# Altium PCB Copy of ToucanEyePCB.PcbDoc (part 3 of 3)
Units mil, origin at the board's own origin, x right, y up, seen from the top; angles counter-clockwise.
Board outline 2559.06 x 1377.95 mil, 6 copper layers (L1_Top Layer, L2_GND, L3_Signa1, L4_PWR/Signal2, L5_GND, L6_Bottom Layer), stack 35.685 mil thick; 192 components, 185 nets, 792 pads, 218 vias.
Unrouted connection lines stored in the file: 453.
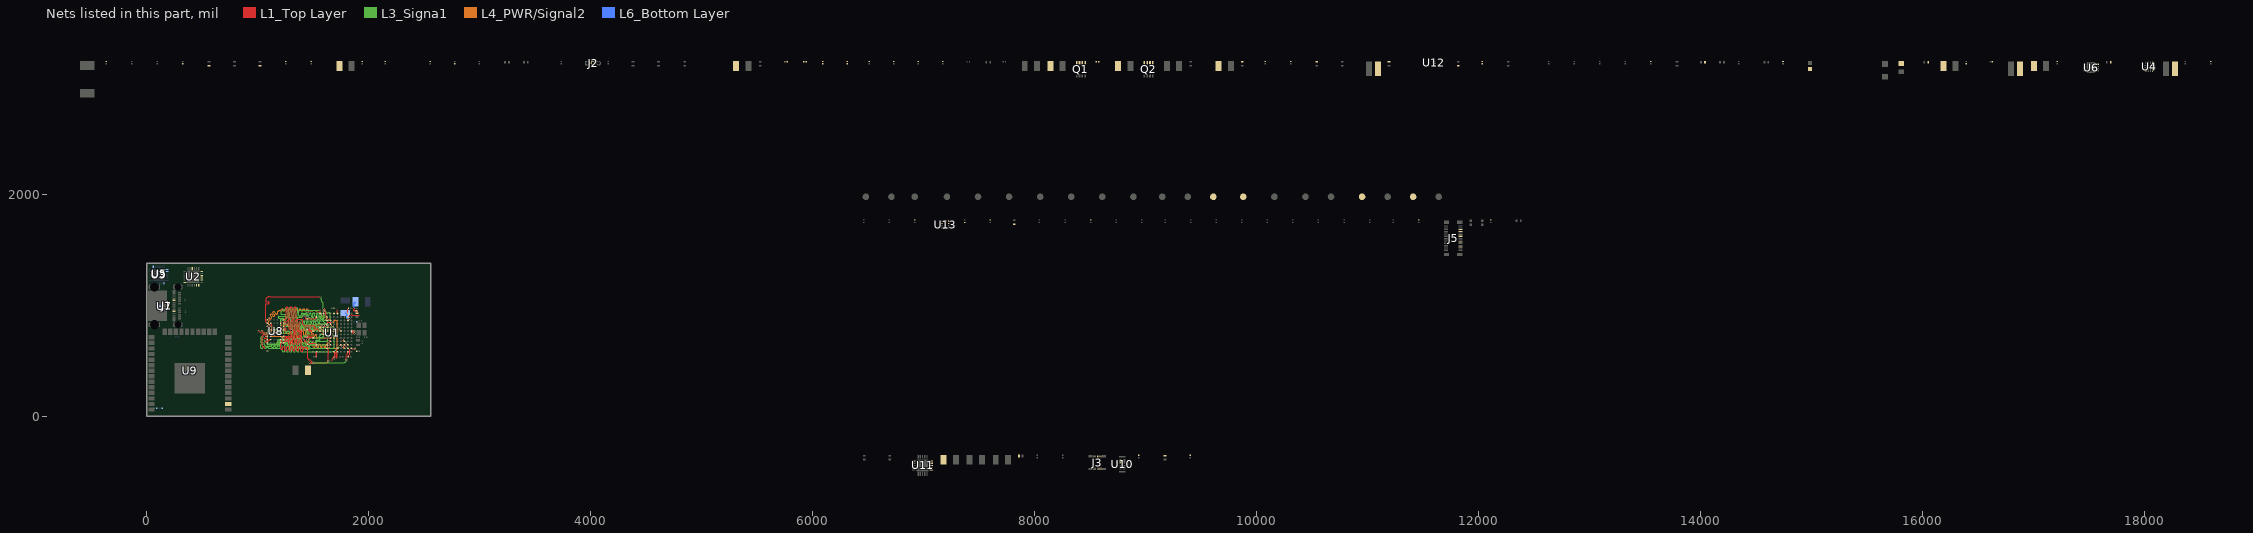
[diagram p7: the nets of this part, all layers, seen from the top]

## Via types
v1: diameter 16, hole 5.91, L1_Top Layer to L6_Bottom Layer, tented both sides, 60 vias
v2: diameter 16, hole 5.91, L1_Top Layer to L2_GND, tented both sides, 50 vias
v3: diameter 16, hole 5.91, L1_Top Layer to L3_Signa1, tented both sides, 45 vias
v4: diameter 16, hole 5.91, L1_Top Layer to L4_PWR/Signal2, tented both sides, 35 vias
v5: diameter 16, hole 5.91, L5_GND to L6_Bottom Layer, tented both sides, 13 vias
v6: diameter 11.81, hole 11.81, L1_Top Layer to L6_Bottom Layer, 9 vias
v7: diameter 7.87, hole 7.87, L1_Top Layer to L6_Bottom Layer, 5 vias
v8: diameter 16, hole 5.91, L1_Top Layer to L3_Signa1, tented top, 1 vias

## Nets (pads, with @x,y where several pads share a name; then routed paths per layer and width w, separated by ;. In a path a pad name is that pad's centre, name@x,y a point inside that pad or via, vN(x,y) a via of type N, cw(c..) or ccw(c..) an arc to the next point about the centre after c; other vN are vias at no path point) (continued)
PSRAM_A17: U1.G9 U8.D3 | length 973.4
  L1_Top Layer w8: U8.D3@1177.13,747.96 1191.37,762.2 v4(1192.2,762.2) ; v4(1578.7,782.5) 1593.8,767.4 U1.G9@1593.8,766.99
  L4_PWR/Signal2 w6: v4@1192.2,759.9 v4(1192.2,762.2) 1221.8,762.2 1224.2,762.2 ccw(c1224.2,767.8) 1229.8,767.8 1229.8,784.1 cw(c1235.4,784.1) 1235.4,789.7 1240.2,789.7 cw(c1240.2,784.1) 1245.8,784.1 1245.8,767.8 ccw(c1251.4,767.8) 1251.4,762.2 1261.8,762.2 1265,762.2 1278.51,762.2 cw(c1278.51,749.91) 1287.2,758.6 ccw(c1295.89,767.29) 1295.89,755 1303.89,755 cw(c1307.02,755) 1307.02,758.13 1316.76,758.13 cw(c1316.76,755) 1319.89,755 1319.89,715.69 ccw(c1325.49,715.69) 1325.49,710.09 1330.29,710.09 ccw(c1330.29,715.69) 1335.89,715.69 1335.89,755 1335.89,757.47 cw(c1341.49,757.47) 1341.49,763.07 1346.29,763.07 cw(c1346.29,757.47) 1351.89,757.47 1351.89,755 1351.89,715.69 ccw(c1357.49,715.69) 1357.49,710.09 1362.29,710.09 ccw(c1362.29,715.69) 1367.89,715.69 1367.89,755 1367.89,757.47 cw(c1373.49,757.47) 1373.49,763.07 1378.29,763.07 cw(c1378.29,757.47) 1383.89,757.47 1383.89,755 1383.89,715.69 ccw(c1389.49,715.69) 1389.49,710.09 1394.29,710.09 ccw(c1394.29,715.69) 1399.89,715.69 1399.89,755 1399.89,757.47 cw(c1405.49,757.47) 1405.49,763.07 1410.29,763.07 cw(c1410.29,757.47) 1415.89,757.47 1415.89,755 1415.89,734.08 ccw(c1421.49,734.08) 1421.49,728.48 1426.29,728.48 ccw(c1426.29,734.08) 1431.89,734.08 1431.89,755 1431.89,758.93 cw(c1437.49,758.93) 1437.49,764.53 1442.29,764.53 cw(c1442.29,758.93) 1447.89,758.93 1447.89,755 1447.89,714.76 ccw(c1453.49,714.76) 1453.49,709.16 1458.29,709.16 ccw(c1458.29,714.76) 1463.89,714.76 1463.89,755 1463.89,770.51 cw(c1469.49,770.51) 1469.49,776.11 1474.29,776.11 cw(c1474.29,770.51) 1479.89,770.51 1479.89,759.11 ccw(c1484,759.11) 1484,755 1484.1,755 ccw(c1484.1,762.5) 1491.6,762.5 1491.6,766.77 cw(c1499.83,766.77) 1499.83,775 1521.66,775 ccw(c1521.66,795.14) 1535.9,780.9 cw(c1547.49,769.31) 1547.49,785.7 1570.97,785.7 cw(c1570.97,774.77) v4(1578.7,782.5)
PSRAM_A18: U1.G10 U8.H1 | length 1022.9
  L1_Top Layer w8: U8.H1@1237.05,865.2 cw(c1237.05,866.07) U8.H1@1236.18,866.07 cw(c1240.72,866.07) 1240.72,870.6 1247.4,870.6 1251,870.6 ccw(c1251,876) 1256.4,876 1256.4,973.73 cw(c1261.8,973.73) 1261.8,979.13 1269,979.13 cw(c1269,973.73) 1274.4,973.73 1274.4,876 ccw(c1279.8,876) 1279.8,870.6 1287,870.6 ccw(c1287,876) 1292.4,876 1292.4,973.73 cw(c1297.8,973.73) 1297.8,979.13 1305,979.13 cw(c1305,973.73) 1310.4,973.73 1310.4,876 ccw(c1315.8,876) 1315.8,870.6 1323,870.6 ccw(c1323,876) 1328.4,876 1328.4,973.73 cw(c1333.8,973.73) 1333.8,979.13 1341,979.13 cw(c1341,973.73) 1346.4,973.73 1346.4,876 ccw(c1351.8,876) 1351.8,870.6 1364.4,870.6 1377,870.6 1396.4,870.6 cw(c1396.4,859.5) 1407.5,859.5 1407.5,825.7 ccw(c1418.3,825.7) 1418.3,814.9 1497.2,814.9 cw(c1497.2,796.6) 1515.5,796.6 ccw(c1529.5,796.6) 1529.5,782.6 cw(c1529.5,757.73) 1547.08,775.32 1550.53,771.87 ccw(c1562.31,783.65) U1.G10@1562.31,766.99
PSRAM_A19: U1.B3 U8.G2 | length 46.1
  L1_Top Layer w6: U8.G2@1206.4,834.43 U8.G2@1206.66,834.43 ; U8.G2@1206.66,836.54 U8.G2@1206.94,836.54
  L1_Top Layer w8: U8.G2@1206.94,836.54 v1(1222.16,851.76) ; v3(1766.1,626.1) 1782.69,609.51 U1.B3@1782.78,609.51 U1.B3@1783.29,609.51
PSRAM_A20: U1.D3 U8.H6 | length 47.7
  L1_Top Layer w6: U8.H6@1088.54,863.96 U8.H6@1088.6,864.01
  L1_Top Layer w8: U8.H6@1088.54,866.07 1102.86,880.38 ccw(c1099.14,884.1) v4(1104.4,884.1) ; v4(1766.3,688.8) 1766.48,688.8 U1.D3@1782.78,672.5
PSRAM_A21: U1.C2 U8.E3 | length 44.2
  L1_Top Layer w8: v4@1161.5,764.3 1163.94,764.3 U8.E3@1177.13,777.48 ; v3(1798.8,657.7) 1798.8,656.48 U1.C2@1814.28,641.01
  other v4: 1162.4,761.6
PSRAM_D0: U1.G8 U8.B6 | length 976.8
  L1_Top Layer w8: v3(1059.7,686.7) 1059.7,692.3 cw(c1067.8,692.3) 1067.8,700.4 1080.62,700.4 cw(c1080.62,692.48) 1088.54,692.48 U8.B6@1088.54,688.9 ; v3(1609.9,750.8) 1609.9,751.1 1625.3,766.5 U1.G8@1625.3,766.99 cw(c1625.3,768.42) U1.G8@1624.29,767.41
  L3_Signa1 w6: v3@1060.1,682 ccw(c1067.1,682) 1067.1,675 cw(c1067.1,661.6) 1080.5,661.6 1080.5,652.5 ccw(c1091.8,652.5) 1091.8,641.2 1173,641.2 ccw(c1173,654.6) 1186.4,654.6 cw(c1212.3,654.6) 1212.3,680.5 1271,680.5 cw(c1271,664.4) 1287.1,664.4 ccw(c1292.8,664.4) 1292.8,658.7 1295.2,658.7 ccw(c1295.2,664.3) 1300.8,664.3 1300.8,687.5 cw(c1306.4,687.5) 1306.4,693.1 1311.2,693.1 cw(c1311.2,687.5) 1316.8,687.5 1316.8,658.7 ccw(c1321.4,658.7) 1321.4,654.1 1328.2,654.1 ccw(c1328.2,658.7) 1332.8,658.7 1332.8,687.5 cw(c1338.4,687.5) 1338.4,693.1 1343.2,693.1 cw(c1343.2,687.5) 1348.8,687.5 1348.8,658.7 ccw(c1353.4,658.7) 1353.4,654.1 1360.2,654.1 ccw(c1360.2,658.7) 1364.8,658.7 1364.8,687.5 cw(c1370.4,687.5) 1370.4,693.1 1375.2,693.1 cw(c1375.2,687.5) 1380.8,687.5 1380.8,664.3 ccw(c1386.4,664.3) 1386.4,658.7 1392.5,658.7 1427.8,658.7 1431.4,658.7 ccw(c1431.4,664.3) 1437,664.3 1437,667.78 cw(c1442.6,667.78) 1442.6,673.38 1447.4,673.38 cw(c1447.4,667.78) 1453,667.78 1453,664.3 ccw(c1458.6,664.3) 1458.6,658.7 1463.4,658.7 ccw(c1463.4,664.3) 1469,664.3 1469,667.04 cw(c1474.6,667.04) 1474.6,672.64 1479.4,672.64 cw(c1479.4,667.04) 1485,667.04 1485,664.3 ccw(c1490.6,664.3) 1490.6,658.7 1501,658.7 1509,658.7 1512.2,658.7 ccw(c1512.2,666.8) 1520.3,666.8 cw(c1536.9,666.8) 1536.9,683.4 1550.6,683.4 ccw(c1550.6,693.6) 1560.8,693.6 cw(c1572.5,693.6) 1572.5,705.3 1577.9,705.3 ccw(c1577.9,721.4) 1594,721.4 1594,725.3 cw(c1603.8,725.3) 1603.8,735.1 ccw(c1603.8,741.2) 1609.9,741.2 v3(1609.9,750.8)
PSRAM_D1: U1.G7 U8.C5 | length 968.9
  L1_Top Layer w8: U8.C5@1118.07,718.43 1130.2,730.55 ccw(c1127.05,733.7) v4@1131.5,733.7 ; U1.G7@1656.8,767.3 U1.G7@1656.8,766.99 1657.31,766.99 v4(1673.9,750.4)
  L4_PWR/Signal2 w6: v4(1133,733.7) v4@1134.1,733.7 ; v4@1135.1,734.7 1135.3,734.5 1145.05,744.25 cw(c1152.9,736.39) 1152.9,747.5 1269.64,747.5 cw(c1269.64,737.94) 1276.4,744.7 ccw(c1281.95,750.25) 1281.95,742.4 1298.5,742.4 cw(c1298.5,733.2) 1307.7,733.2 1307.7,707.9 ccw(c1318,707.9) 1318,697.6 1326.8,697.6 1328.5,697.6 cw(c1328.5,692) 1334.1,692 1334.1,664.52 ccw(c1339.7,664.52) 1339.7,658.92 1344.5,658.92 ccw(c1344.5,664.52) 1350.1,664.52 1350.1,697.6 cw(c1353.59,697.6) 1353.59,701.09 1362.61,701.09 cw(c1362.61,697.6) 1366.1,697.6 1366.1,664.52 ccw(c1371.7,664.52) 1371.7,658.92 1376.5,658.92 ccw(c1376.5,664.52) 1382.1,664.52 1382.1,692 cw(c1387.7,692) 1387.7,697.6 1390.1,697.6 cw(c1390.1,689.7) 1398,689.7 1398,673.6 ccw(c1412.6,673.6) 1412.6,659 1431,659 ccw(c1431,694) 1466,694 cw(c1476.5,694) 1476.5,704.5 1478.9,704.5 ccw(c1478.9,710.1) 1484.5,710.1 1484.5,737.44 cw(c1490.1,737.44) 1490.1,743.04 1494.9,743.04 cw(c1494.9,737.44) 1500.5,737.44 1500.5,710.1 ccw(c1506.1,710.1) 1506.1,704.5 1510.9,704.5 ccw(c1510.9,710.1) 1516.5,710.1 1516.5,724.75 cw(c1522.1,724.75) 1522.1,730.35 1526.9,730.35 cw(c1526.9,724.75) 1532.5,724.75 1532.5,710.1 ccw(c1538.1,710.1) 1538.1,704.5 1541.7,704.5 1642.9,704.5 ccw(c1642.9,735.5) 1673.9,735.5 v4(1673.9,750.4)
PSRAM_D2: U1.C8 U8.C6 | length 988.1
  L1_Top Layer w8: v3(1063.6,718.6) 1088.54,718.6 U8.C6@1088.54,718.43 ; U1.C8@1625.3,641.6 U1.C8@1625.3,641.01 ; U1.C8@1626.24,639.96 cw(c1627.29,641.01) U1.C8@1625.97,640.33 ; v3(1641.3,625) U1.C8@1625.97,640.33 ; U1.C8@1625.3,641.01 1625.81,641.01 ccw(c1627.29,641.01) U1.C8@1625.97,640.33 ; U1.C8@1625.3,641.01 U1.C8@1625.97,640.33
  L3_Signa1 w6: v3@1061.2,716.2 cw(c1063.6,716.2) v3(1063.6,718.6) cw(c1060.4,718.6) 1060.4,715.4 1040.2,715.4 ccw(c1040.2,702.2) 1027,702.2 1027,697.4 ccw(c1031.9,697.4) 1031.9,692.5 1039.36,692.5 cw(c1039.36,686.9) 1044.96,686.9 1044.96,682.1 cw(c1039.36,682.1) 1039.36,676.5 1032.6,676.5 ccw(c1032.6,670.9) 1027,670.9 1027,666.1 ccw(c1032.6,666.1) 1032.6,660.5 1045.65,660.5 cw(c1045.65,654.9) 1051.25,654.9 1051.25,650.1 cw(c1045.65,650.1) 1045.65,644.5 1032.6,644.5 ccw(c1032.6,638.9) 1027,638.9 1027,628.5 1027,620.5 1027,620.4 ccw(c1038.6,620.4) 1038.6,608.8 1040,608.8 1042.4,608.8 ccw(c1042.4,614.4) 1048,614.4 cw(c1053.6,614.4) 1053.6,620 1058.4,620 cw(c1058.4,614.4) 1064,614.4 ccw(c1069.6,614.4) 1069.6,608.8 1074.4,608.8 ccw(c1074.4,614.4) 1080,614.4 cw(c1085.6,614.4) 1085.6,620 1090.4,620 cw(c1090.4,614.4) 1096,614.4 ccw(c1101.6,614.4) 1101.6,608.8 1145,608.8 1196,608.8 ccw(c1196,618.1) 1205.3,618.1 1205.3,644.7 cw(c1221,644.7) 1221,660.4 1256,660.4 cw(c1256,646.1) 1270.3,646.1 1270.3,631.6 ccw(c1285.5,631.6) 1285.5,616.4 1453.3,616.4 ccw(c1453.3,633.1) 1470,633.1 cw(c1477.2,633.1) 1477.2,640.3 1626,640.3 cw(c1626,625) v3(1641.3,625)
PSRAM_D3: U1.B8 U8.D5 | length 507
  L1_Top Layer w8: 1054.8,619.5 cw(c1054.8,610.2) 1064.1,610.2 ; 1056.2,620 cw(c1056.2,633) 1043.2,633 1043.2,715.2 cw(c1061.8,715.2) 1061.8,733.8 1083.9,733.8 ccw(c1083.9,782.13) U8.D5@1118.07,747.96 ; U1.B8@1625.3,609.51 1628.58,606.23 cw(c1600.05,577.7) 1640.4,577.7 1640.4,569.37 cw(c1637.33,569.37) 1639.5,567.2 ccw(c1642.88,563.82) 1638.1,563.82 v4(1638.1,496.5)
  L4_PWR/Signal2 w8: v4(1465.4,481.8) 1626.3,481.8 ccw(c1626.3,493.6) 1638.1,493.6 v4(1638.1,496.5)
PSRAM_D4: U1.G6 U8.E5 | length 982.7
  L1_Top Layer w8: U8.E5@1118.07,777.48 1132.56,763 v3(1132.7,763) ; v3(1672.3,783.6) U1.G6@1688.29,766.99
  L3_Signa1 w6: v3(1132.7,763) 1142.7,763 ccw(c1142.7,768.9) 1148.6,768.9 cw(c1156.7,768.9) 1156.7,777 1165.1,777 cw(c1165.1,764.3) 1177.8,764.3 1177.8,759.5 ccw(c1189.9,759.5) 1189.9,747.4 1228.7,747.4 1231.1,747.4 ccw(c1231.1,753) 1236.7,753 1236.7,778.88 cw(c1242.3,778.88) 1242.3,784.48 1247.1,784.48 cw(c1247.1,778.88) 1252.7,778.88 1252.7,753 ccw(c1258.3,753) 1258.3,747.4 1263.1,747.4 ccw(c1263.1,753) 1268.7,753 1268.7,757.86 cw(c1274.3,757.86) 1274.3,763.46 1279.1,763.46 cw(c1279.1,757.86) 1284.7,757.86 1284.7,753 ccw(c1290.3,753) 1290.3,747.4 1293.6,747.4 1310.5,747.4 ccw(c1310.5,755.2) 1318.3,755.2 1318.3,799.6 cw(c1328.2,799.6) 1328.2,809.5 1332.5,809.5 1335.9,809.5 cw(c1335.9,803.9) 1341.5,803.9 1341.5,742.21 ccw(c1347.1,742.21) 1347.1,736.61 1351.9,736.61 ccw(c1351.9,742.21) 1357.5,742.21 1357.5,803.9 cw(c1363.1,803.9) 1363.1,809.5 1367.9,809.5 cw(c1367.9,803.9) 1373.5,803.9 1373.5,790.3 ccw(c1379.1,790.3) 1379.1,784.7 1383.9,784.7 ccw(c1383.9,790.3) 1389.5,790.3 1389.5,803.9 cw(c1395.1,803.9) 1395.1,809.5 1405.5,809.5 1421.5,809.5 1429.5,809.5 1474,809.5 1482,809.5 1496.38,809.5 cw(c1496.38,807.88) 1498,807.88 ccw(c1503.6,807.88) 1503.6,802.28 1508.4,802.28 ccw(c1508.4,807.88) 1514,807.88 1514,809.5 1514,816.5 cw(c1519.6,816.5) 1519.6,822.1 1524.4,822.1 cw(c1524.4,816.5) 1530,816.5 1530,809.5 1530,807.88 ccw(c1535.6,807.88) 1535.6,802.28 1540.4,802.28 ccw(c1540.4,807.88) 1546,807.88 cw(c1547.62,807.88) 1547.62,809.5 1550.8,809.5 1559.45,809.5 cw(c1559.45,801.65) 1565,807.2 ccw(c1584.8,827) 1584.8,799 1666.9,799 cw(c1666.9,793.2) 1672.7,793.2 1672.7,783.6 v3(1672.3,783.6)
PSRAM_D5: U1.K7 U8.F5 | length 971.4
  L1_Top Layer w8: v4(1102.6,821.5) ccw(c1117.09,821.5) 1117.09,807.01 U8.F5@1118.07,807.01 cw(c1118.07,809.38) U8.F5@1116.39,807.71 ; v4(1640.4,876.9) 1655.13,862.17 ccw(c1656.8,863.84) U1.K7@1656.8,861.48
  L4_PWR/Signal2 w6: v4(1102.6,821.5) cw(c1107.91,826.81) 1100.4,826.81 1100.4,851.7 cw(c1117.54,851.7) 1105.42,863.82 1125.45,883.85 1127.15,885.55 ccw(c1123.19,889.51) 1127.15,893.47 1115.27,905.35 cw(c1119.23,909.31) 1115.27,913.27 1118.66,916.66 cw(c1122.62,912.7) 1126.58,916.66 1142.42,900.82 ccw(c1145.93,904.33) 1149.44,900.82 1153.73,905.11 ccw(c1150.22,908.62) 1153.73,912.13 1137.89,927.97 cw(c1141.85,931.93) 1137.9,935.89 1141.29,939.29 cw(c1145.25,935.33) 1149.21,939.29 1165.05,923.45 1169.4,919.1 ccw(c1173.36,923.06) 1177.32,919.1 1180.71,922.49 ccw(c1176.75,926.45) 1180.71,930.41 1180.32,930.8 cw(c1184.28,934.76) 1180.32,938.72 1181.02,939.42 cw(c1201.97,918.48) 1201.97,948.1 1207.3,948.1 1209.7,948.1 ccw(c1209.7,953.7) 1215.3,953.7 1215.3,957.7 cw(c1220.9,957.7) 1220.9,963.3 1225.7,963.3 cw(c1225.7,957.7) 1231.3,957.7 1231.3,953.7 ccw(c1236.9,953.7) 1236.9,948.1 1241.7,948.1 ccw(c1241.7,953.7) 1247.3,953.7 1247.3,957.7 cw(c1252.9,957.7) 1252.9,963.3 1257.7,963.3 cw(c1257.7,957.7) 1263.3,957.7 1263.3,953.7 ccw(c1268.9,953.7) 1268.9,948.1 1273.7,948.1 ccw(c1273.7,953.7) 1279.3,953.7 1279.3,957.7 cw(c1284.9,957.7) 1284.9,963.3 1289.7,963.3 cw(c1289.7,957.7) 1295.3,957.7 1295.3,953.7 ccw(c1300.9,953.7) 1300.9,948.1 1305.7,948.1 ccw(c1305.7,953.7) 1311.3,953.7 1311.3,957.7 cw(c1316.9,957.7) 1316.9,963.3 1321.7,963.3 cw(c1321.7,957.7) 1327.3,957.7 1327.3,953.7 ccw(c1332.9,953.7) 1332.9,948.1 1337.7,948.1 ccw(c1337.7,953.7) 1343.3,953.7 1343.3,957.7 cw(c1348.9,957.7) 1348.9,963.3 1353.7,963.3 cw(c1353.7,957.7) 1359.3,957.7 1359.3,953.7 ccw(c1364.9,953.7) 1364.9,948.1 1369.7,948.1 ccw(c1369.7,953.7) 1375.3,953.7 1375.3,957.7 cw(c1380.9,957.7) 1380.9,963.3 1385.7,963.3 cw(c1385.7,957.7) 1391.3,957.7 1391.3,953.7 ccw(c1396.9,953.7) 1396.9,948.1 1401.7,948.1 ccw(c1401.7,953.7) 1407.3,953.7 1407.3,957.7 cw(c1412.9,957.7) 1412.9,963.3 1417.7,963.3 cw(c1417.7,957.7) 1423.3,957.7 1423.3,953.7 ccw(c1428.9,953.7) 1428.9,948.1 1433.7,948.1 ccw(c1433.7,953.7) 1439.3,953.7 1439.3,957.7 cw(c1444.9,957.7) 1444.9,963.3 1449.7,963.3 cw(c1449.7,957.7) 1455.3,957.7 1455.3,953.7 ccw(c1460.9,953.7) 1460.9,948.1 1467,948.1 1496.38,948.1 cw(c1496.38,848.1) 1567.09,918.81 1586.8,899.1 ccw(c1640.4,952.71) v4(1640.4,876.9)
PSRAM_D6: U1.J7 U8.F6 | length 982.7
  L1_Top Layer w8: U8.F6@1088.54,807.01 1089.09,807.01 v3(1103.8,792.3) ; U1.J7@1656.8,829.98 1673.08,813.7 v3(1673.9,813.7)
  L3_Signa1 w6: v3(1103.8,792.3) 1092.6,781.1 ccw(c1099.6,774.1) 1089.7,774.1 1089.7,760.5 1089.7,755.7 cw(c1084.9,755.7) 1084.9,750.9 1060.2,750.9 ccw(c1060.2,746.1) 1055.4,746.1 1055.4,739.7 ccw(c1060.2,739.7) 1060.2,734.9 1084.9,734.9 cw(c1084.9,730.1) 1089.7,730.1 1089.7,726.9 1089.7,661 ccw(c1099.5,661) 1099.5,651.2 1168.3,651.2 ccw(c1168.3,658.9) 1176,658.9 cw(c1206.6,658.9) 1206.6,689.5 1285.7,689.5 ccw(c1285.7,695.7) 1291.9,695.7 cw(c1298.3,695.7) 1298.3,702.1 1397.5,702.1 ccw(c1397.5,717.2) 1412.6,717.2 cw(c1420.5,717.2) 1420.5,725.1 1433.3,725.1 cw(c1433.3,716.2) 1442.2,716.2 ccw(c1453.9,716.2) 1453.9,704.5 1542.49,704.5 ccw(c1542.49,720.21) 1553.6,709.1 1555.66,711.16 ccw(c1542.51,724.3) 1561.1,724.3 cw(c1573.3,724.3) 1573.3,736.5 1579.1,736.5 ccw(c1579.1,753.3) 1595.9,753.3 cw(c1609.2,753.3) 1609.2,766.6 1673.2,766.6 ccw(c1673.2,781.4) 1688,781.4 1688,794.24 ccw(c1678.44,794.24) 1685.2,801 1674.18,812.02 1673.9,812.02 v3@1673.9,809.5
PSRAM_D7: U1.L8 U8.G6 | length 983.7
  L1_Top Layer w8: U8.G6@1089.88,837.88 U8.G6@1088.54,836.54 cw(c1088.54,852.78) 1072.3,852.78 1072.3,993.6 1072.3,1005.55 cw(c1078.6,1005.55) 1078.6,1011.85 1097.43,1011.85 ccw(c1097.43,1018.15) 1103.73,1018.15 1103.73,1023.55 ccw(c1097.43,1023.55) 1097.43,1029.85 1078.6,1029.85 cw(c1078.6,1036.15) 1072.3,1036.15 1072.3,1038.85 cw(c1108.25,1038.85) 1108.25,1074.8 v3(1564.7,1074.8) ; v3(1593.5,967.3) cw(c1593.5,952.81) 1603.73,963.07 1604.4,962.4 cw(c1594.5,952.5) 1608.5,952.5 1608.5,933.54 ccw(c1665.86,933.54) U1.L8@1625.3,892.98
  L3_Signa1 w6: v3(1564.7,1074.8) 1565.9,1073.6 cw(c1565.9,1065.1) 1574.4,1065.1 1574.4,1045.72 ccw(c1607.52,1045.72) 1584.1,1022.3 cw(c1561.41,999.61) 1593.5,999.61 v3(1593.5,967.3)
PSRAM_D8: U1.H7 U8.B1 | length 996
  L1_Top Layer w8: U8.B1@1236.18,688.9 1248.3,688.9 1251,688.9 ccw(c1251,695.2) 1257.3,695.2 1257.3,700.44 cw(c1263.6,700.44) 1263.6,706.74 1269,706.74 cw(c1269,700.44) 1275.3,700.44 1275.3,695.2 ccw(c1281.6,695.2) 1281.6,688.9 1287,688.9 ccw(c1287,695.2) 1293.3,695.2 1293.3,702.57 cw(c1299.6,702.57) 1299.6,708.87 1305,708.87 cw(c1305,702.57) 1311.3,702.57 1311.3,695.2 ccw(c1317.6,695.2) 1317.6,688.9 1323,688.9 ccw(c1323,695.2) 1329.3,695.2 1329.3,745.83 cw(c1335.6,745.83) 1335.6,752.13 1341,752.13 cw(c1341,745.83) 1347.3,745.83 1347.3,695.2 ccw(c1353.6,695.2) 1353.6,688.9 1364.6,688.9 1388,688.9 ccw(c1388,699.5) 1398.6,699.5 ; 1398.6,703.2 1398.6,699.5 ; v3@1399.4,775.8 v3(1402.8,775.8) ccw(c1402.8,771.6) 1398.6,771.6 1398.6,768.8 cw(c1392.3,768.8) 1392.3,762.5 1388.91,762.5 ccw(c1388.91,756.2) 1382.61,756.2 1382.61,750.8 ccw(c1388.91,750.8) 1388.91,744.5 1392.3,744.5 cw(c1392.3,738.2) 1398.6,738.2 1398.6,732.8 cw(c1392.3,732.8) 1392.3,726.5 1372.76,726.5 ccw(c1372.76,720.2) 1366.46,720.2 1366.46,714.8 ccw(c1372.76,714.8) 1372.76,708.5 1392.3,708.5 cw(c1392.3,702.2) 1398.6,702.2 1398.6,699.5 ; v3(1641.2,782.7) ccw(c1641.2,784.93) v3@1642.77,783.35 ; v3@1642.78,783.35 1657.91,798.49 U1.H7@1656.8,798.49 U1.H7@1656.8,798.2
  L3_Signa1 w6: v3@1405.3,778.3 ccw(c1405.3,775.8) v3(1402.8,775.8) 1402.8,793.5 cw(c1409.1,793.5) 1409.1,799.8 1413.8,799.8 cw(c1413.8,795.2) 1418.4,795.2 1418.4,784.2 ccw(c1423.3,784.2) 1423.3,779.3 1423.6,779.3 1431.6,779.3 1442,779.3 cw(c1442,773.7) 1447.6,773.7 1447.6,748.7 ccw(c1453.2,748.7) 1453.2,743.1 1458,743.1 ccw(c1458,748.7) 1463.6,748.7 1463.6,773.7 cw(c1469.2,773.7) 1469.2,779.3 1478.9,779.3 1479.7,779.3 ccw(c1479.7,786.1) 1486.5,786.1 cw(c1492.7,786.1) 1492.7,792.3 1493.6,792.3 cw(c1493.6,786.9) 1499,786.9 1499,769.06 ccw(c1504.6,769.06) 1504.6,763.46 1509.4,763.46 ccw(c1509.4,769.06) 1515,769.06 1515,786.7 cw(c1520.6,786.7) 1520.6,792.3 1525.4,792.3 cw(c1525.4,786.7) 1531,786.7 1531,770.32 ccw(c1536.6,770.32) 1536.6,764.72 1541.4,764.72 ccw(c1541.4,770.32) 1547,770.32 1547,786.7 cw(c1552.6,786.7) 1552.6,792.3 1555,792.3 1557.4,792.3 cw(c1557.4,785.2) 1564.5,785.2 1564.5,773.1 ccw(c1570.9,773.1) 1570.9,766.7 1584.5,766.7 ccw(c1584.5,774.8) 1590.77,769.67 ccw(c1584.5,774.8) 1592.6,774.8 cw(c1600.5,774.8) 1600.5,782.7 v3(1641.2,782.7)
PSRAM_D9: U1.M9 U8.C1 | length 985.8
  L1_Top Layer w8: U8.C1@1237.36,719.6 ccw(c1237.36,718.43) U8.C1@1236.18,718.43 1288.13,718.43 ccw(c1288.13,733.1) 1302.8,733.1 v1(1302.8,771.6) cw(c1302.8,770.7) v1@1303.7,770.7
  L1_Top Layer w10: v3(1593.5,947.1) 1593.8,946.8 U1.M9@1593.8,924.47
  L3_Signa1 w6: v1(1302.8,771.6) 1303.1,771.6 1303.1,797.1 ccw(c1290.2,797.1) 1290.2,810 1264.4,810 cw(c1264.4,823.1) 1251.3,823.1 1251.3,861.3 cw(c1280.5,861.3) 1280.5,890.5 1393.2,890.5 ccw(c1393.2,902.1) 1404.8,902.1 1404.8,905.7 cw(c1415.8,905.7) 1415.8,916.7 1426.2,916.7 cw(c1426.2,905.2) 1437.7,905.2 1437.7,881.1 ccw(c1449.2,881.1) 1449.2,869.6 1450.1,869.6 1452.5,869.6 ccw(c1452.5,875.2) 1458.1,875.2 1458.1,881.62 cw(c1463.7,881.62) 1463.7,887.22 1468.5,887.22 cw(c1468.5,881.62) 1474.1,881.62 1474.1,875.2 ccw(c1479.7,875.2) 1479.7,869.6 1484.5,869.6 ccw(c1484.5,875.2) 1490.1,875.2 1490.1,881.41 cw(c1495.7,881.41) 1495.7,887.01 1500.5,887.01 cw(c1500.5,881.41) 1506.1,881.41 1506.1,875.2 ccw(c1511.7,875.2) 1511.7,869.6 1516.5,869.6 ccw(c1516.5,875.2) 1522.1,875.2 1522.1,881.41 cw(c1527.7,881.41) 1527.7,887.01 1532.5,887.01 cw(c1532.5,881.41) 1538.1,881.41 1538.1,875.2 ccw(c1543.7,875.2) 1543.7,869.6 1548.5,869.6 ccw(c1548.5,875.2) 1554.1,875.2 1554.1,881.41 cw(c1559.7,881.41) 1559.7,887.01 1564.5,887.01 cw(c1564.5,881.41) 1570.1,881.41 1570.1,875.2 ccw(c1575.7,875.2) 1575.7,869.6 1583.7,869.6 1588.2,869.6 cw(c1588.2,857.53) 1596.74,866.06 ccw(c1608.48,877.81) 1608.48,861.2 1641,861.2 ccw(c1641,876.1) 1655.9,876.1 1655.9,917.1 ccw(c1642.4,917.1) 1642.4,930.6 1625.7,930.6 cw(c1625.7,947.5) 1608.8,947.5 ccw(c1602.1,947.5) 1602.1,954.2 1600.6,954.2 ccw(c1600.6,947.1) v3(1593.5,947.1)
PSRAM_D10: U1.J8 U8.C2 | length 970.1
  L1_Top Layer w6: U1.J8@1625.3,829.98 U1.J8@1625.58,829.98
  L1_Top Layer w8: U8.C2@1206.66,718.43 1221.2,703.88 v4(1221.2,703.7) ; U1.J8@1625.3,829.98 cw(c1641.42,829.98) 1641.42,846.1 v4(1672.7,846.1)
  L4_PWR/Signal2 w6: v4@1221.2,704.2 v4(1221.2,703.7) 1265.5,703.7 cw(c1265.5,694.8) 1274.4,694.8 1274.4,685.8 ccw(c1292.5,685.8) 1292.5,667.7 cw(c1292.5,659.2) 1301,659.2 1301,616.3 ccw(c1307.1,616.3) 1307.1,610.2 1620.1,610.2 1622.5,610.2 ccw(c1622.5,615.8) 1628.1,615.8 1628.1,620.14 cw(c1633.7,620.14) 1633.7,625.74 1638.5,625.74 cw(c1638.5,620.14) 1644.1,620.14 1644.1,615.8 ccw(c1649.7,615.8) 1649.7,610.2 1650.8,610.2 1705.8,610.2 ccw(c1705.8,623.6) 1719.2,623.6 1719.2,853.9 ccw(c1712.3,853.9) 1712.3,860.8 1698.2,860.8 ccw(c1698.2,853.1) 1690.5,853.1 cw(c1683.5,853.1) 1683.5,846.1 v4(1672.7,846.1) v4@1672.7,846.2